# KiCad board SHVC-CPU-01.kicad_pcb (continued)
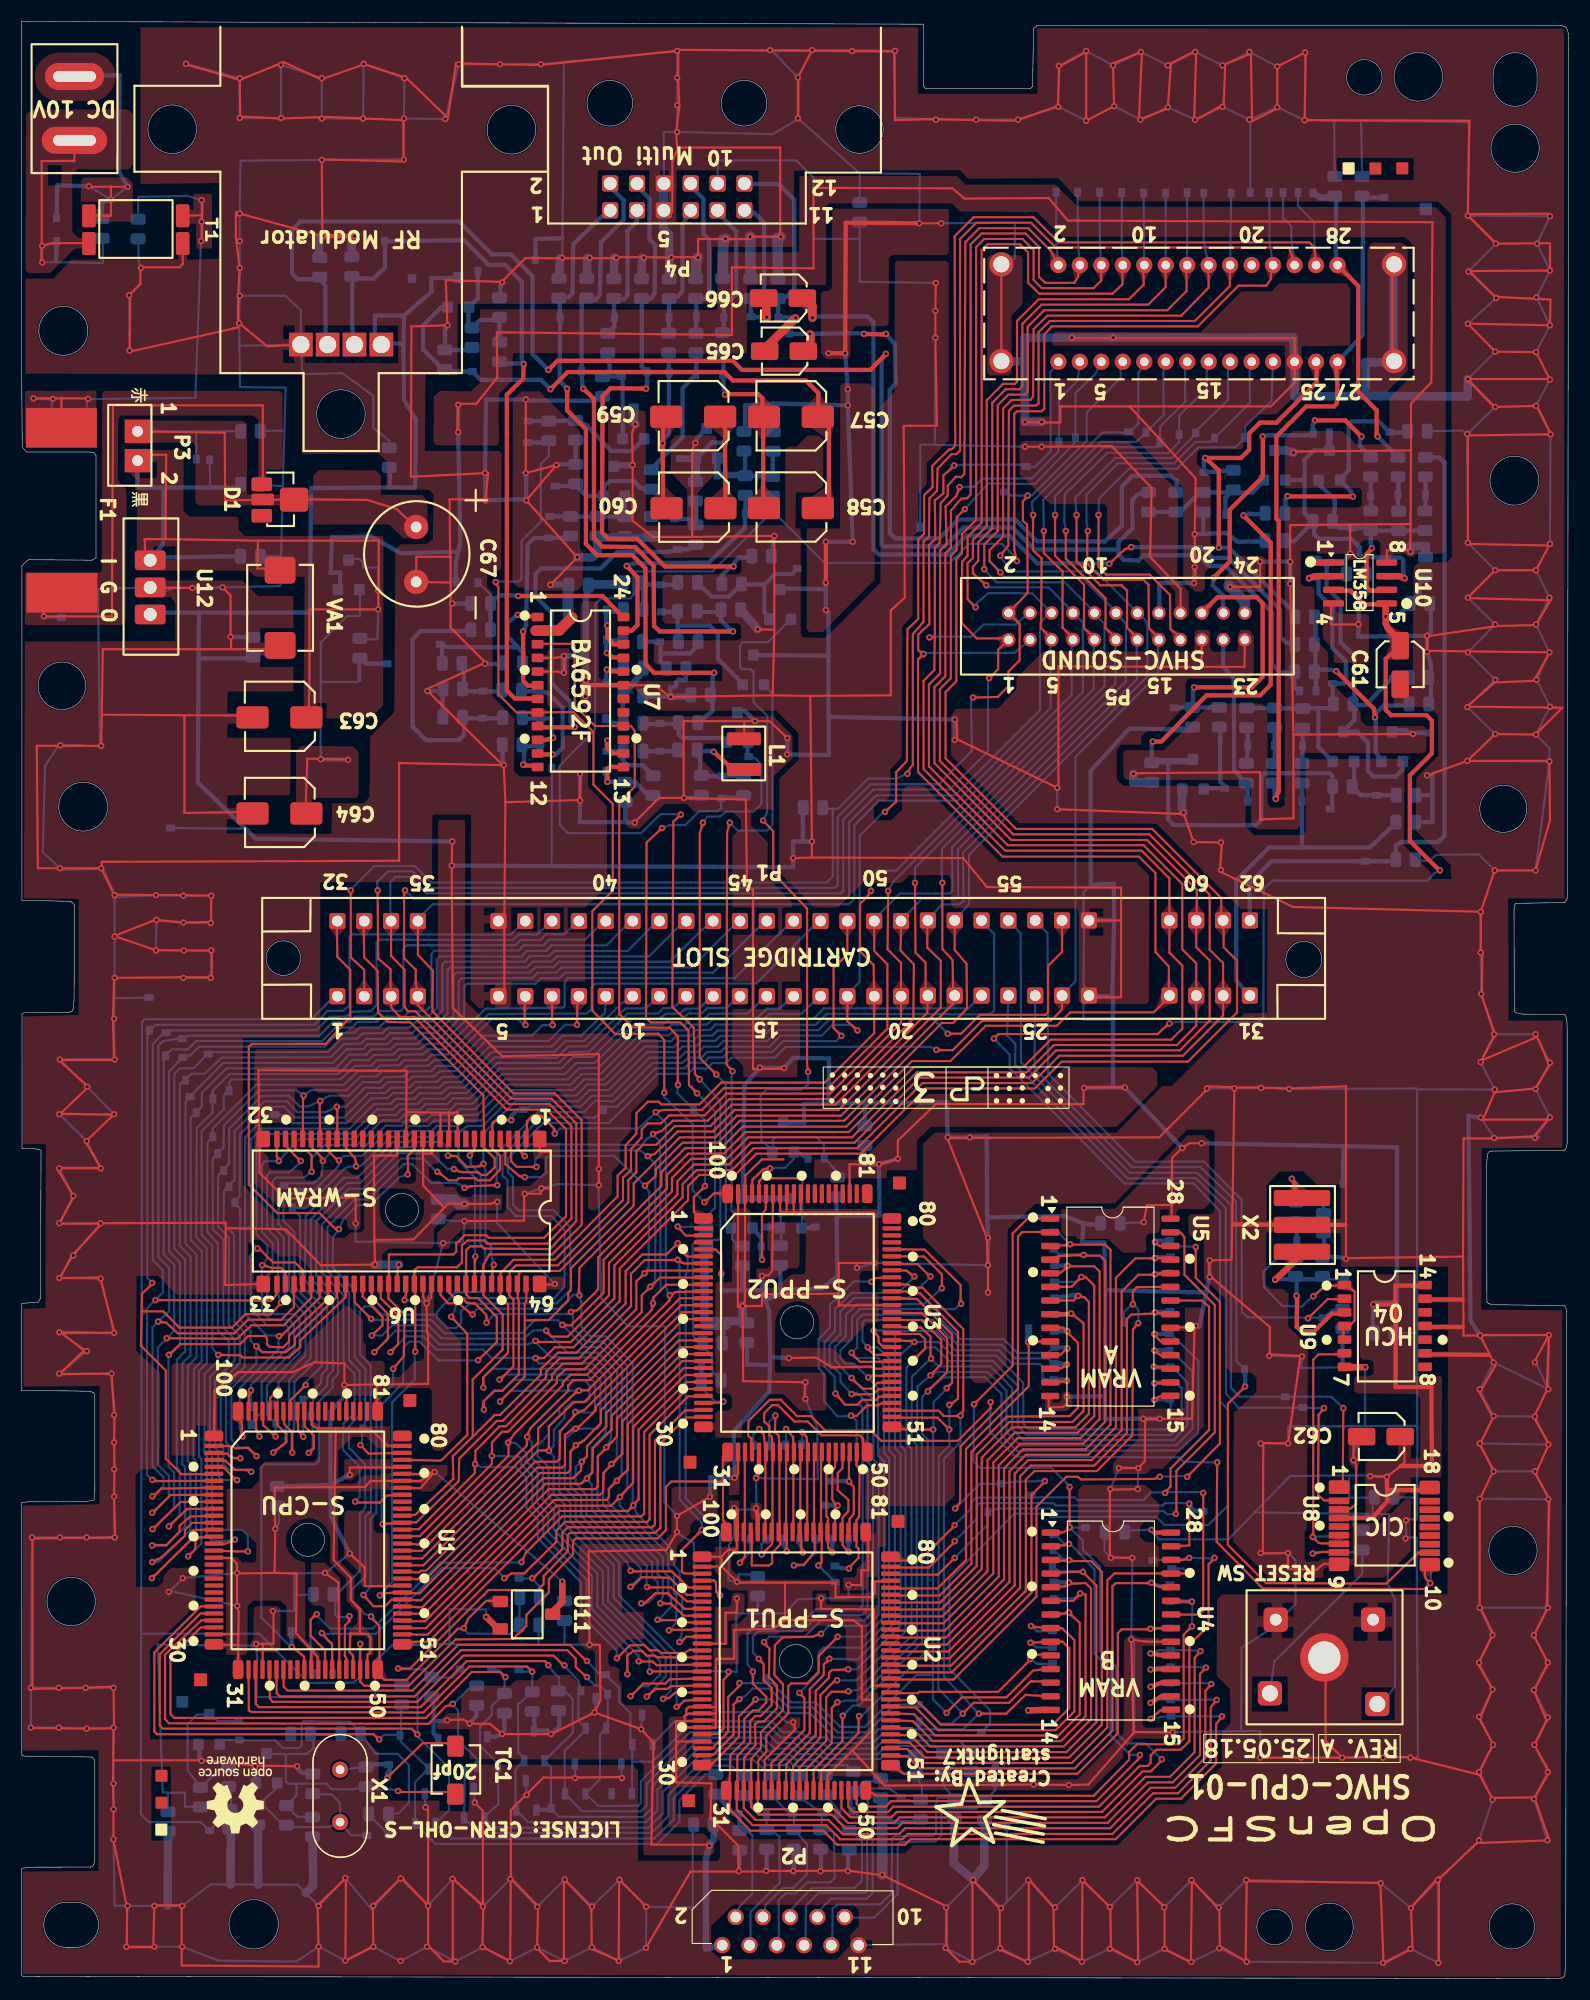
[diagram p0: board, top side]
## Routing (per net, layer and track width the routed paths; a pad name or vN(x,y) marks a point on that pad's centre or on a via; arc(x,y) is an arc through that point) (continued)
  Bottom w1: C95.1 39.9,72.49 40.38,72.49 40.73,72.09 v1(41.28,72.11) ; 65.3,158.32 65.33,159.16 65.38,161.91 v1(65.58,161.96) ; v1(67.88,162.16) 67.88,162.01 67.93,158.29 ; C84.2 50.91,129.64 50.91,127.49 50.88,127.46 50.98,126.86 v1(51.28,126.71) ; 80.17,16.6 80.18,13.49 80.18,9.69 ; v1(63.03,160.21) 62.88,159.81 62.8,158.29 ; v1(70.73,162.16) 70.43,162.01 70.48,158.26
  vias: v1(3.63,114.81) v1(3.58,103.36) v1(13.72,36) v1(15.01,37.27) v1(32.78,6.76) v1(35.33,1.64) v1(52.93,160.21) v1(55.43,160.21) v1(57.98,160.21) v1(60.53,160.21) v1(69.73,179.54) v1(77.38,179.44) v1(80.18,9.66) v1(111.73,103.21) v1(123.38,67.01) v1(128.93,40.96) v1(128.98,42.66) v1(140.98,57.36)
A1: length 23.3
  Top w0.2: v1(120.33,63.51) 121.48,64.51 122.88,64.51 U9.1 124.18,63.96 124.18,61.26 123.78,60.81 U9.4 123.13,60.51 123.15,59.48
  Bottom w0.2: R72.2 117,67.11 115.68,65.81 115.73,64.41 117.45,62.61 119.28,62.56 119.88,63.16 v1(120.33,63.51)
  Bottom w0.4: R72.2 118.78,67.41 TP144.1 118.77,70.3
A2: length 20.5
  Top w0.4: 116.77,65.01 116.73,65.01 ; 118.83,63.51 118.78,60.66 119.28,60.26 120.43,60.26 122.08,61.91 122.93,61.91 U9.3
  Top w0.6: X2.1 118.28,66.51 117.93,66.11 v1(116.78,65.06)
  Bottom w0.2: C56.2 121.42,65.1 123.27,65.1
  Bottom w0.4: R72.1 119.48,65.11 119.49,65.1 120.92,65.1 C56.2 ; R72.1 118.78,65.24 118.78,63.57 v1(118.78,63.56) ; R72.1 118.13,65.11 116.78,65.11 ; TP143.1 123.27,65.1
AB: length 5.9
  Top w0.4: v1(54.58,125.96) 54.58,124.86 55.13,124.21 U7.22
  Bottom w0.4: 56.04,127.47 55.81,127.25 54.62,127.25 TP42.1 54.47,127.39 54.47,126.22 54.53,126.16
AG: length 4.5
  Top w0.4: v1(54.53,123.41) 55.03,123.01 U7.21
  Bottom w0.4: v1(54.53,123.41) 54.47,123.47 54.47,124.62 TP41.1 54.55,124.59 55.85,124.59 55.98,124.46
AR: length 4.5
  Top w0.4: U7.20 54.93,121.71 v1(54.53,121.86)
  Bottom w0.4: 56.05,122.01 55.89,121.85 54.48,121.85 54.48,120.61
AUD: length 154.1
  Top w0.4: v1(49.08,149.76) 49.93,150.61 66.25,150.61 67.1,149.76 79.08,149.76 v1(80.53,151.26)
  Bottom w0.4: 102.18,133.11 102.18,133.71 103.5,135.04 103.45,137.59 103.93,138.14 104.33,138.26 ; 102.18,133.11 102.2,132.56 102.68,132.06 104.05,132.01 104.55,132.51 109.61,132.51 110.58,131.54 112.18,131.49 116.5,127.17 116.5,122.36 117.27,121.59 117.7,121.59 118.56,121.57 ; 102.18,133.11 102.1,133.04 94.36,133.04 92.33,135.08 87.73,135.08 85.99,133.33 80.31,133.33 80.11,133.52 80.11,150.69 v1(80.53,151.26) ; 27.38,158.21 25.73,158.21 25.2,158.74 25.2,162.76 25.95,163.59 40.74,163.59 43.81,160.52 45.57,160.52 47.61,158.48 47.61,151.23 v1(49.08,149.76) ; P7.2 28.33,153.24 28.3,157.56 C22.2 ; R71.2 118.55,120.59 118.55,120.24 118.85,120.04
B: length 55.4
  Top w0.4: v1(58.18,148.01) 54.88,148.06 54.13,147.31 54.08,134.61 54.65,134.04 57.36,134.04 59.94,131.46 v1(66.33,131.46)
  Bottom w0.4: 58.23,156.41 58.63,156.41 58.98,156.89 59.03,161.39 58.49,161.92 58.49,165.71 57.34,166.86 P4.4 ; R18.2 65.23,130.64 66.06,131.46 v1(66.33,131.46) 66.43,131.84 66.85,132.34 67.15,132.29 67.16,132.3 67.87,132.3 67.88,132.31 ; v1(58.18,148.01) 58.28,148.41 58.28,149.56 57.78,150.06 ; 57.78,150.06 57.8,150.04 ; 57.78,150.06 57.78,156.23 57.83,156.28
BLA: length 4.6
  Top w0.4: U7.12 47.94,112.92 46.87,112.92 46.78,113.01
  Bottom w0.4: R26.1 46.72,114.77 48.26,114.77 TP60.1 ; 46.68,114.36 46.82,114.22 46.82,113.11 v1(46.73,113.01)
BURST: length 67.4
  Top w0.2: v1(63.67,73.79) 63.67,73.76 63.18,73.26 62.63,72.76 62.63,71.36 U3.1 ; v1(61.15,83.19) 61.13,83.21 61.13,87.71 60.38,88.51 56.93,88.56 55.68,89.81 55.68,109.51 57.13,110.96 57.13,116.11 56.78,116.61 U7.16 53.43,116.61 51.53,118.51 51.53,124.06 51.38,124.26 48.43,124.26 U7.3
  Bottom w0.2: v1(61.15,83.19) 61.08,82.44 62.15,81.36 62.58,80.96 ; 62.95,80.59 63.65,79.94 v1(63.67,73.79)
BY.I: length 5.9
  Top w0.4: U7.10 48.83,115.31 49.53,115.46
  Bottom w0.4: 46.71,117.3 TP59.1 49.38,117.31 ; 49.35,117.29 49.35,116.04 v1(49.53,115.51)
BY.O: length 18.1
  Top w0.4: U7.24 55.53,127.26 54.13,128.71 v1(46.28,128.71)
  Bottom w0.2: 43.72,128.13 43.65,128.89 43.04,129.48 TP61.1
  Bottom w0.4: R35.1 R34.1 ; v1(46.28,128.71) 45.53,128.79 44.6,128.79 44.4,128.64 43.78,128.21
C: length 15.3
  Bottom w0.4: 62.85,156.17 TP20.1 R46.1 ; P4.8 62.34,166.87 63.53,165.68 63.53,162.4 64.05,161.88 64.05,156.74 63.65,156.36 63.03,156.41
C57+: length 55.9
  Top w0.2: C57.1 75.13,144.56
  Top w0.4: 74.23,145.96 74.23,147.61 73.06,148.78 66.26,148.78 65.48,149.56 50.88,149.56 v1(49.28,147.96) ; 75.13,144.56 75.21,144.48 75.21,136.65 75.18,136.61
  Bottom w0.4: R32.2 39.61,149.61 40.67,149.61 40.68,149.61 41.38,149.61 TP53.1 42.43,149.19 42.78,148.84 48.4,148.84 v1(49.28,147.96) ; 39.65,155.38 39.47,155.56 39.06,155.56 ; 39.06,155.56 37.41,153.92 37.41,151.67 38.89,150.19 38.95,150.19 ; 39.06,155.56 Q10.1
C57-: length 18.1
  Top w0.4: 69.03,145.81 69.03,147.11 68.63,147.51 65.57,147.51 v1(65.53,147.46) ; C57.2 69.09,145.32 69.09,136.4 69.13,136.36
  Bottom w0.4: R33.2 65.38,151.06 TP47.1 65.38,148.16 65.58,147.46
C59+: length 15.6
  Top w0.4: 65.03,145.53 65.58,144.11 v1(65.53,142.96) 65.56,138.81 65.58,136.66
  Bottom w0.4: v1(65.53,142.96) 64.3,143.01 63.35,141.99 62.93,141.55
  Bottom w0.6: 62.92,141.55 62.89,139.63 ; TP40.1 62.86,141.49
C59-: length 17.5
  Top w0.4: 60.01,145.53 59.78,144.16 59.73,142.96 59.78,136.71
  Bottom w0.4: R42.2 60.3,150.44 60.3,150.06 TP49.1 60.31,149.49 60.31,143.78 59.73,143.2 v1(59.73,142.91)
C61: length 232
  Top w0.2: v1(106.93,88.91) 106.33,88.41 105.84,87.93 90.99,87.93 v1(90.58,87.51) ; C61.1 127.93,125.06
  Top w0.4: 132.13,103.11 132.13,103.11 129.33,105.91 129.33,112.01 131.38,114.06 131.38,117.11 130.87,117.62 127.57,117.62 127.08,118.11 127.08,122.86 C61.1 ; 127.06,127.92 U10.5 ; 127.1,128.02 127.02,127.94 125.05,127.94 123.78,129.21 122.29,129.21 U10.3 ; 126.58,127.93 126.58,127.91 ; v1(127.08,126.81) 127.06,126.83
  Top w0.6: 127.93,125.06 127.28,125.71 127.08,126.16 v1(127.08,126.81) ; 127.06,126.83 127.06,127.92
  Bottom w0.2: DA6.2 60.83,23.94 69.89,23.94 70.89,22.94 72.58,22.94 73.15,22.46 74.98,22.46 75.48,21.91 79.31,21.91 80.06,22.66 88.93,22.66 TP216.1 ; v1(132.13,103.16) 131.58,102.89 130.98,102.21 116.58,102.21 115.73,101.49 115.68,89.51 115.23,89.04 107.4,89.04 106.95,88.89 ; v1(90.58,87.51) 92.05,86.01 92.05,84.74 102.75,74.01 109.18,74.04 111.65,71.41 111.63,53.76 112.4,52.94 112.38,44.01 110.55,42.24 106.48,42.24 105.68,42.99 95.83,42.99 95.55,43.26 92.5,43.29 86.43,37.14 86.45,28.81 90.23,24.96 90.23,23.69 89.85,23.36 89.43,22.96
  Bottom w0.4: 128.93,127.56 128.63,127.31 128.23,126.94 127.58,126.91 v1(127.08,126.81) ; R50.1 130.23,129.86 130.23,128.91 R51.2
C62: length 9.6
  Top w0.2: U8.3 123.83,43.76 124.33,44.16 124.33,47.81 v1(124.08,48.26) 124.08,50.41
  Bottom w0.2: TP150.1 124.08,48.86 v1(124.08,48.26)
C65: length 64.3
  Top w0.4: v1(78.48,153.11) 80.48,153.06
  Top w0.8: 73.48,153.06 73.48,152.06 C65.1
  Bottom w0.4: 107.59,138.36 107.6,139.14 107.58,139.49 107,139.91 103.45,139.89 102.5,138.89 102.5,135.26 100.9,133.79 94.58,133.81 92.55,135.84 87.25,135.84 85.48,134.07 81.41,134.07 80.88,134.61 80.88,147.89 81.43,148.51 81.35,152.16 v1(80.53,153.11) ; TP247.1 v1(73.43,153.11) 77.9,153.19 v1(78.48,153.11)
C66: length 77.9
  Top w0.2: v1(101.33,131.71) 102.03,132.36 102.78,133.06 v1(103.38,133.26)
  Top w0.8: 72.98,156.36 73.68,155.66 v1(73.68,154.61)
  Bottom w0.4: v1(103.38,133.26) 109.85,133.26 110.95,132.26 112.42,132.26 117.25,127.44 117.25,124.91 117.78,124.39 R70.2 ; TP97.1 72.98,155.66 73.78,154.74 78.78,154.74 79.35,154.21 79.35,133.08 79.87,132.57 86.26,132.57 88.01,134.32 92.05,134.32 94.61,131.76 96.93,131.76 100.83,131.74 v1(101.33,131.71)
C68: length 196.1
  Top w0.2: v1(63.18,83.71) 62.73,84.21 62.63,88.51 60.63,90.46 60.73,107.71 v1(61.43,108.36) ; v1(92.73,131.96) 92.48,133.01 92.48,145.66 92.73,145.91 95.03,145.91 95.28,146.16 95.28,153.06 95.98,153.81 109.58,153.81 113.38,157.61 115.98,157.61 116.38,158.21 116.42,159.46
  Bottom w0.2: 69.98,137.96 69.95,137.11 70.03,136.56 ; v1(92.73,131.96) 92.73,132.16 91.33,133.56 88.25,133.56 86.48,131.8 74.8,131.8 70.04,136.56 70.03,136.56 ; R98.2 64.38,56.46 64.33,58.01 63.68,58.61 C68.1 62.73,59.64 62.58,59.89 62.53,68.36 62.93,68.77 64.91,68.77 65.1,68.96 65.1,81.64 v1(63.18,83.71) ; 70.03,136.56 69.93,136.56 64.35,130.99 57.15,130.99 57,130.81 57.03,128.89 56.8,128.59 56.7,128.49 53.98,128.49 53.48,127.99 53.43,116.34 53.35,116.19 50.13,112.91 50.15,107.39 50.9,106.64 57.7,106.64 59.53,108.41 61.35,108.39 ; TP155.1 116.25,161.69 P6.22
C69: length 57.1
  Top w0.2: U3.3 61.88,69.16 v1(61.13,70.01) ; v1(59.68,107.11) 58.23,105.76 58.18,89.41 58.63,89.01 61.38,89.01 62.13,88.26 62.18,83.21 v1(62.93,82.41)
  Bottom w0.2: v1(59.68,107.11) 60.38,107.39 61.83,107.39 63.13,108.66 64.88,108.69 65.15,108.94 65.15,109.36 ; TP25.1 65.18,109.76 65.16,109.25 ; C69.2 63.57,69.98 61.16,69.98 v1(61.13,70.01) ; 63.8,69.75 63.9,71.04 64.6,71.76 64.6,80.69 v1(62.93,82.41)
  Bottom w0.4: 67,109.88 66.93,109.94 65.26,109.94 TP25.1
C.A0: length 81.4
  Top w0.2: 31.23,75.61 31.08,76.36 30.23,77.31 30.21,78.41 ; v1(26.48,55.26) 25.08,53.86 25.08,53.16
  Bottom w0.2: v1(26.48,55.26) 26.48,55.51 27.96,57 27.96,62.63 25.95,64.64 25.95,70.99 25.6,71.31 TP232.1 ; 25.33,71.71 25.65,71.74 26.43,71.71 30.08,75.39 30.5,75.59 v1(31.18,75.61) 31.63,75.66 34.4,78.36 35.88,78.39 36.43,78.89 38.19,78.89 38.68,79.38 40.7,79.38 41.2,79.89 42.8,79.89 45.63,82.71 51.4,82.71 52.43,83.71 54.2,83.69 57.73,87.29 60.53,87.26 61.08,87.79 62.35,87.79 62.83,88.29 64.15,88.31 64.63,88.81 68.73,88.81 69.65,89.81 72.63,89.81 73.4,90.56 74.58,91.46
C.A1: length 87.9
  Top w0.2: 28.61,78.41 28.61,77.02 29.46,76.16 29.53,76.16 ; v1(25.22,48.97) 25.23,50.81 24.48,51.61 U1.94
  Bottom w0.2: v1(25.22,48.97) 25.15,49.19 25.18,50.89 25.4,51.19 25.43,55.51 27.48,57.56 27.48,62.34 25.43,64.39 25.43,69.51 24.4,70.54 24.43,72.74 24.73,73.06 25.4,73.06 25.83,73.21 26.5,73.26 27.28,73.36 29.43,75.51 29.55,75.69 v1(29.58,76.16) 30.03,76.59 31.75,76.59 34.13,78.89 35.63,78.91 36.15,79.39 37.93,79.39 38.45,79.89 40.48,79.91 40.98,80.39 42.53,80.44 45.33,83.21 51.15,83.21 52.15,84.19 53.95,84.21 57.5,87.79 60.3,87.81 60.8,88.26 62.05,88.29 62.6,88.81 63.85,88.81 64.38,89.29 68.38,89.31 69.43,90.29 70.63,90.29 71.83,91.46
C.A2: length 87.6
  Top w0.2: 27.01,78.41 27.01,77.39 28.03,76.37 28.03,76.16 ; U1.95 23.83,51.51 24.68,50.71 24.68,49.96 v1(23.45,48.97)
  Bottom w0.2: 24.58,73.96 24.9,74.04 27.23,74.04 27.98,74.76 v1(28.08,76.11) 28.95,77.09 31.58,77.09 33.93,79.41 35.43,79.39 35.85,79.91 37.68,79.89 38.2,80.39 40.2,80.41 40.75,80.91 42.28,80.94 45,83.71 50.9,83.71 51.93,84.74 53.73,84.76 57.3,88.29 60.08,88.29 60.58,88.81 61.83,88.81 62.33,89.31 63.55,89.31 64.08,89.81 67.65,89.84 69.2,91.34 ; 24.3,73.67 24.1,73.49 23.98,73.29 23.93,70.24 24.93,69.19 24.93,64.12 26.93,62.12 26.93,57.74 24.93,55.74 24.93,51.51 24.58,51.11 24.6,49.81 v1(23.45,48.97)
C.A3: length 80.9
  Top w0.2: 27.03,75.16 27.03,76.61 26.56,77.08 25.71,77.08 25.48,77.31 U6.29 ; 23.18,53.06 23.18,54.06 v1(23.93,54.81) ; 25.41,78.41 25.48,77.51
  Bottom w0.2: 23.85,53.89 v1(23.93,54.81) 23.93,55.51 26.45,58.03 26.45,61.81 24.43,63.91 24.43,68.99 23.4,70.01 23.4,74.19 23.55,74.44 23.7,74.56 26.3,74.56 v1(27.03,75.11) 26.98,76.31 28.25,77.61 31.28,77.61 33.6,79.91 35.1,79.89 35.65,80.41 37.43,80.41 37.93,80.91 39.98,80.91 40.48,81.44 42,81.44 44.78,84.21 50.63,84.21 51.68,85.24 53.4,85.24 57.03,88.79 59.75,88.81 60.35,89.34 61.55,89.34 62.13,89.84 63.33,89.84 63.88,90.34 65.68,90.36 66.83,91.46
C.A4: length 83.3
  Top w0.2: v1(23.68,50.46) 22.53,51.51 U1.97 ; 23.81,78.41 23.78,77.76 23.78,76.56 23.98,76.16
  Bottom w0.2: v1(23.68,50.46) 23.68,51.16 23.69,51.63 ; 64.33,91.46 63.1,90.31 61.9,90.29 61.28,89.84 60,89.81 59.45,89.36 56.8,89.34 53.2,85.79 51.38,85.79 50.33,84.74 44.53,84.71 41.75,81.94 40.2,81.94 39.68,81.41 37.63,81.41 37.15,80.89 35.38,80.91 34.88,80.41 33.33,80.39 31.05,78.16 25.85,78.14 v1(23.98,76.11) 22.63,76.09 22.4,75.71 22.4,69.51 23.4,68.44 23.4,65.96 22.93,65.49 22.88,62.36 23.38,61.86 25.43,61.86 25.9,61.41 25.9,58.25 22.85,55.2 22.85,52.49 23.2,52.09 23.58,51.71
C.A5: length 83.1
  Top w0.2: 22.38,66.46 23.28,66.16 24.18,66.16 24.58,65.76 24.61,64.91 ; U1.98 21.88,51.11 v1(22.17,50.46)
  Bottom w0.2: P1.12 60.68,90.34 59.78,90.34 59.28,89.84 56.45,89.84 52.9,86.29 51.13,86.26 50.08,85.24 44.3,85.24 41.48,82.44 39.95,82.44 39.4,81.91 37.38,81.91 36.9,81.41 35.15,81.41 34.58,80.91 33.13,80.91 30.78,78.66 22.65,78.61 21.9,77.84 21.88,69.29 22.93,68.21 22.88,66.99 v1(22.43,66.41) 22.39,66.38 22.39,62.11 23.16,61.34 24.95,61.34 25.38,60.86 25.43,58.54 22.38,55.51 22.38,52.71 21.65,52.01 21.37,51.65 ; v1(22.17,50.46) 22.1,50.84 21.78,51.21 21.58,51.46
C.A6: length 80.7
  Top w0.2: 21.18,53.26 21.18,54.26 v1(21.38,54.76) ; v1(21.98,67.96) 22.14,67.96 23.44,66.66 25.48,66.66 26.19,65.97 26.21,64.91
  Bottom w0.2: 21.36,53.96 21.33,53.21 ; 21.36,53.96 v1(21.38,54.76) 21.38,55.26 24.93,58.81 24.93,58.94 24.88,60.59 24.6,60.84 22.86,60.84 21.35,62.34 21.35,67.34 v1(21.98,67.96) 21.38,68.56 21.4,78.16 22.38,79.14 30.55,79.11 32.83,81.41 34.38,81.44 34.85,81.89 36.63,81.91 37.1,82.41 39.13,82.41 39.65,82.89 39.73,82.96 41.25,82.94 44.05,85.76 49.85,85.71 50.93,86.76 52.63,86.79 56.25,90.31 58.15,90.34 P1.11 ; 21.36,53.96 21.35,53.76
C.A7: length 82.6
  Top w0.2: v1(20.57,50.46) 20.53,51.21 20.53,51.76 U1.100 ; v1(23.98,59.81) 24.19,59.81 27.78,63.4 27.78,63.71 27.81,64.91
  Bottom w0.2: P1.10 55.88,90.79 52.43,87.29 50.65,87.26 49.63,86.26 43.8,86.26 41.03,83.46 39.43,83.44 38.93,82.94 36.95,82.96 36.35,82.44 34.63,82.44 34.1,81.96 32.58,81.94 30.3,79.66 25.2,79.64 24.45,80.39 TP225.1 22.93,80.41 20.83,78.31 20.83,61.87 22.83,59.86 23.95,59.86 23.95,58.6 20.33,54.97 20.33,51.21 v1(20.57,50.46)
C.A8: length 89.7
  Top w0.2: v1(21.91,48.63) 21.9,48.63 21.13,49.41 19.98,49.36 19.58,49.56 U1.2 ; 29.38,63.46 29.41,64.91 ; 29.38,63.46 25.48,59.66 25.48,59.01 24.63,58.31 22.43,58.31 v1(21.88,58.86) ; 29.38,63.46 29.38,63.71
  Bottom w0.2: P1.9 54.35,89.91 52.15,87.79 50.4,87.79 49.4,86.76 43.58,86.76 40.73,83.94 39.2,83.94 38.7,83.49 36.65,83.46 36.15,82.96 34.4,82.94 33.88,82.44 32.33,82.44 30.05,80.16 25.43,80.16 24.48,81.16 22.9,81.16 20.35,78.61 20.33,72.81 20.15,72.61 ; v1(21.91,48.63) 21,49.41 20.33,49.41 19.55,50.19 19.55,54.94 21.88,57.26 v1(21.88,58.86) 21.35,59.36 21.35,60.29 20.33,61.36 20.38,71.64 20.15,71.91
C.A9: length 78.1
  Top w0.2: v1(51.75,88.78) 51.77,90.52 P1.8 ; 29.41,78.41 29.43,80.81 v1(29.38,81.16) ; U1.3 19.18,48.86 19.68,48.46 v1(20.39,48.44)
  Bottom w0.2: 19.28,73.71 18.98,73.46 18.85,73.31 18.83,70.24 19.8,69.26 19.83,61.14 20.8,60.11 20.8,56.96 19.05,55.21 19.05,49.91 19.3,49.66 19.28,48.69 19.45,48.49 v1(20.39,48.44) ; 19.28,73.81 19.6,74.11 19.85,74.34 19.85,78.89 22.63,81.66 24.73,81.66 25.7,80.66 28.33,80.66 v1(29.38,81.16) 30.23,81.16 32,82.94 33.55,82.91 34.13,83.46 35.88,83.46 36.43,83.96 38.43,83.99 38.95,84.46 40.45,84.49 43.25,87.29 49.13,87.29 50.63,88.79 51.75,88.79
C.A10: length 80.7
  Top w0.2: v1(21.41,47.18) 21.23,47.36 19.88,47.36 18.98,48.21 U1.4 ; v1(27.83,81.71) 27.78,81.41 27.81,78.41 ; v1(49.48,88.76) 49.43,89.36 P1.7
  Bottom w0.2: v1(21.41,47.18) 20.81,47.31 19.23,47.41 18.83,47.89 18.8,49.36 18.55,49.74 18.55,55.49 20.35,57.31 20.35,59.76 19.3,60.89 19.33,68.94 18.3,70.04 18.33,74.71 18.4,74.89 18.73,75.16 ; 18.78,75.16 19.18,75.69 19.33,75.86 19.35,79.11 22.38,82.16 24.9,82.19 25.93,81.19 26.75,81.21 v1(27.83,81.71) 28.65,82.19 30.5,82.19 31.8,83.46 33.35,83.44 33.8,83.91 35.6,83.96 36.08,84.46 38.15,84.46 38.65,84.96 40.18,84.96 43.03,87.79 47.55,87.79 48.55,88.76 v1(49.48,88.76)
C.A11: length 77.3
  Top w0.2: P1.6 46.88,90.56 46.88,89.21 v1(46.95,88.78) ; 17.93,47.64 18.88,47.56 19.53,46.86 19.99,46.4 v1(20.09,46.4) ; v1(26.28,82.21) 26.23,82.01 26.21,78.41
  Bottom w0.2: v1(20.09,46.4) 18.72,46.4 18.3,46.82 18.3,49.13 18.05,49.38 18.05,55.73 19.85,57.53 19.85,59.54 18.8,60.59 18.8,68.81 17.83,69.74 17.8,76.14 17.88,76.41 17.98,76.51 ; 18.6,77.16 18.83,77.34 18.85,79.41 22.13,82.69 25.63,82.69 v1(26.28,82.21) 27,82.71 30.25,82.69 31.58,83.96 33.08,83.99 33.63,84.46 35.38,84.46 35.93,84.96 37.88,84.99 38.48,85.51 39.93,85.51 43.78,89.31 46.23,89.31 46.8,88.86
C.A12: length 122.4
  Top w0.2: 11.19,62.11 13.2,62.11 14.71,60.6 19.61,60.6 20.88,61.86 23.18,61.81 23.98,62.66 ; 11.19,62.11 11.23,63.76 12.18,64.66 ; 11.19,62.11 11.13,58.91 13.44,56.59 13.44,48.4 14.9,46.95 17.88,46.95 U1.6 ; 24.61,78.41 24.63,77.51 25.43,76.66 v1(26.03,76.11)
  Bottom w0.2: v1(12.18,64.76) 11.72,65.21 11.72,87.56 TP99.1 12.35,88.66 12.5,88.79 27.3,88.79 28.5,90.09 29.93,90.09 30.55,90.59 30.55,96.99 30.8,97.21 45.55,97.19 P1.37 ; v1(24.18,62.91) 23.9,63.79 23.9,68.74 22.88,69.86 22.88,74.76 23.15,75.06 24.95,75.06 25.95,75.96
C.A13: length 105.5
  Top w0.2: U1.7 12.98,46.31 12.31,46.31 v1(12.2,46.43) ; 23.81,64.91 23.73,63.91 23.73,63.66 23.28,63.11 v1(12.48,63.16)
  Bottom w0.2: v1(12.2,46.43) 11.68,46.91 11.7,62.39 12.5,63.21 13.18,63.89 13.15,65.96 12.23,66.89 12.23,87 13.24,88.01 13.48,88.01 ; P1.38 48,97.19 46.35,97.21 45.73,96.69 33.33,96.71 33.08,96.46 33.08,90.61 32.53,90.06 30.8,90.01 30.28,89.56 28.73,89.54 27.48,88.29 13.98,88.26 TP100.1
C.A14: length 113.2
  Top w0.2: 25.41,64.91 25.38,63.81 25.38,62.51 24.2,61.33 21.09,61.33 19.82,60.06 14.58,60.06 13.48,61.06 v1(12.73,61.16) ; U1.8 13.03,45.61 12.3,44.89 v1(12.21,44.89)
  Bottom w0.2: TP101.1 15.58,87.79 27.75,87.79 29.01,89.04 30.55,89.04 31.05,89.55 32.81,89.55 33.33,90.06 35.3,90.09 35.58,90.29 35.58,95.87 35.91,96.2 46.01,96.2 46.5,96.69 48.35,96.69 48.85,97.21 50.53,97.21 P1.39 ; 14.78,87.51 14.43,87.49 13.15,87.26 12.75,86.84 12.75,67.16 13.75,66.16 13.75,62.11 12.75,61.19 12.21,60.64 12.21,47.68 13.2,46.69 13.23,45.81 v1(12.21,44.89)
C.A15: length 116.6
  Top w0.2: v1(13.53,59.61) 20.08,59.56 21.43,60.81 24.43,60.81 26.98,63.36 26.98,63.81 27.01,64.91 ; U1.9 13.88,45.01 12.83,43.96 v1(12.18,43.36)
  Bottom w0.2: TP102.1 13.75,86.26 14.03,86.51 15.48,86.49 16.28,87.29 27.98,87.26 29.28,88.54 30.79,88.54 31.31,89.06 33.1,89.06 33.58,89.54 35.68,89.56 36.1,90.04 37.6,90.06 38.2,90.56 38.18,95.39 38.45,95.69 46.35,95.71 46.75,96.19 48.65,96.19 49.13,96.71 52.51,96.71 54.25,98.45 P1.40 ; 13.33,85.76 13.25,85.46 13.25,67.42 14.23,66.44 14.23,60.34 13.6,59.64 12.7,58.74 12.7,47.84 13.73,46.82 13.73,44.83 12.25,43.36 v1(12.18,43.36)
C.A16: length 123.1
  Top w0.2: 28.58,63.56 28.61,64.91 ; 28.58,63.56 28.58,63.76 ; 28.58,63.56 28.58,63.31 24.93,59.86 24.93,59.31 24.38,58.76 23.13,58.81 22.88,59.01 22.88,59.61 22.67,59.82 21.13,59.82 20.38,59.06 14.78,59.06 v1(13.73,58.06) ; v1(12.21,41.84) 12.25,41.84 13.08,42.66 14.83,44.36 U1.10
  Bottom w0.2: TP103.1 15.48,85.91 15.68,85.91 16.58,86.76 28.25,86.76 29.5,88.04 31.05,88.06 31.5,88.54 33.33,88.54 33.8,89.04 35.88,89.04 36.38,89.54 37.9,89.56 38.7,90.34 38.7,94.89 38.95,95.16 46.58,95.14 47.05,95.66 48.9,95.69 49.35,96.19 54.49,96.19 56.75,98.45 P1.41 ; v1(12.21,41.84) 14.23,43.84 14.23,47.11 13.7,47.64 13.7,57.94 14.76,58.99 14.76,66.68 13.75,67.68 13.75,84.44 14.6,85.34 14.93,85.71
C.A17: length 101.6
  Top w0.2: v1(13.73,42.09) 13.76,42.09 14.43,42.76 15.43,43.71 U1.11
  Bottom w0.2: P1.42 59.25,98.45 56.46,95.66 49.63,95.66 49.15,95.19 47.35,95.19 46.88,94.66 39.45,94.66 39.2,94.39 39.2,90.11 38.2,89.09 36.65,89.04 36.15,88.54 34.13,88.54 33.6,88.01 31.78,87.99 31.25,87.51 29.8,87.51 28.53,86.26 17.83,86.24 TP104.1 ; 17.23,85.96 16.93,85.66 16.08,84.76 14.73,84.71 14.24,84.22 14.24,67.96 15.25,66.95 15.25,58.39 14.47,57.61 14.47,47.61 14.73,47.35 14.73,43.1 v1(13.73,42.09)
C.A18: length 108.6
  Top w0.2: U1.12 15.73,43.01 14.73,42.16 14.73,41.61 13.53,40.36 12.21,40.36 v1(12.17,40.32)
  Bottom w0.2: TP105.1 15.65,84.06 15.88,84.24 17.08,84.24 18.65,85.74 28.8,85.76 30.03,86.99 31.6,87.04 32.1,87.49 33.8,87.49 34.35,88.01 36.38,88.01 36.46,88.09 36.9,88.54 38.4,88.54 39.7,89.86 39.7,93.89 39.93,94.14 47.08,94.14 47.63,94.66 49.38,94.66 49.89,95.17 58.47,95.17 61.75,98.45 P1.43 ; 15.13,83.56 14.9,83.39 14.74,83.23 14.74,68.22 15.75,67.21 15.75,58.01 15,57.31 14.98,47.89 15.24,47.62 15.24,42.08 13.43,40.26 v1(12.17,40.32)
C.A19: length 111.2
  Top w0.2: v1(12.18,38.76) 13.03,39.21 15.23,41.21 15.23,41.76 15.88,42.41 U1.13
  Bottom w0.2: v1(12.18,38.76) 12.73,38.76 15.74,41.77 15.74,47.93 15.48,48.19 15.5,57.01 16.3,57.81 16.3,67.4 15.28,68.43 15.28,81.57 TP106.1 ; 15.74,82.15 16.13,82.56 18.8,85.24 29,85.24 30.28,86.51 31.88,86.54 32.2,86.99 34.1,86.99 34.64,87.53 36.66,87.53 37.17,88.04 38.68,88.04 40.25,89.61 40.23,93.36 40.52,93.65 47.35,93.65 47.85,94.15 49.57,94.15 50.07,94.66 60.4,94.66 63.28,97.54 P1.44
C.A20: length 114.9
  Top w0.2: U1.14 16.08,41.76 15.78,41.56 15.68,40.76 v1(12.15,37.27)
  Bottom w0.2: v1(12.15,37.27) 16.25,41.24 16.25,48.14 16,48.46 16.08,56.76 16.79,57.48 16.79,67.72 15.78,68.74 15.75,80.09 15.9,80.26 16.23,80.51 ; P1.45 66.76,98.45 62.44,94.14 50.33,94.14 49.84,93.65 48.09,93.65 47.57,93.13 41,93.13 40.73,92.86 40.73,89.3 38.95,87.52 37.41,87.52 36.9,87 34.89,87 34.4,86.51 32.6,86.51 32.11,86.01 30.5,86.01 29.3,84.74 19.1,84.74 16.8,82.44 16.8,81.24 16.63,80.96 TP107.1
C.A21: length 108.9
  Top w0.2: 17.93,41.14 16.58,41.06 16.23,40.76 16.18,39.96 15.52,39.31 v1(15.52,39.31)
  Bottom w0.2: 17.8,82.46 TP108.1 ; 17.8,82.46 17.8,82.34 ; 17.8,82.46 17.8,82.66 19.4,84.21 29.43,84.21 29.63,84.31 30.83,85.51 32.33,85.49 32.85,85.99 34.6,86.01 35.13,86.51 37.15,86.54 37.73,87.01 39.2,87.04 41.23,89.06 41.25,92.34 41.45,92.61 41.68,92.64 41.7,92.61 47.85,92.61 48.38,93.14 50.1,93.11 50.63,93.64 64.43,93.64 68.43,97.64 P1.46 ; 17.78,81.86 17.8,81.41 17.8,80.61 16.33,79.19 16.28,69.04 17.25,67.99 17.28,57.29 16.53,56.56 16.53,48.61 16.75,48.39 16.75,40.49 v1(15.52,39.31)
C.A22: length 125.3
  Top w0.2: 19.83,40.81 18.93,40.46 U1.16 ; 30.18,63.41 25.98,59.41 25.98,58.81 24.93,57.81 20.58,57.81 20.38,58.01 v1(18.33,58.06) ; 30.18,63.41 30.21,64.91 ; 30.18,63.41 30.23,63.66
  Bottom w0.2: P1.47 70.95,97.63 66.45,93.14 50.88,93.14 50.6,92.74 50.6,90.61 50.53,90.46 50.33,90.39 43.23,90.29 39.4,86.51 37.95,86.51 37.4,86.04 35.38,86.01 34.93,85.51 33.08,85.49 32.6,84.99 31.08,84.96 29.73,83.71 19.58,83.71 19.38,83.49 19.38,83.11 TP109.1 ; v1(19.88,40.86) 18.95,40.74 17.68,40.79 17.28,41.36 17.28,48.63 17.05,48.86 17.05,56.29 18.28,57.46 18.3,58.01 17.78,58.71 17.78,68.24 16.78,69.24 16.78,78.89 18.85,80.96 18.85,82.14 18.98,82.41 19.23,82.46
C.A23: length 112.9
  Top w0.2: 20.98,39.86 21.07,39.77 v1(21.1,39.77) 20.08,39.77 20.08,39.76 U1.17
  Bottom w0.2: 17.45,77.98 17.48,78.01 ; 17.45,77.98 17.33,77.81 17.3,69.76 17.33,69.49 18.3,68.44 18.3,60.32 19.33,59.3 19.33,57.81 17.58,56.04 17.53,49.16 17.75,48.89 17.78,42.09 17.9,41.86 18.08,41.76 20.55,41.76 21.08,41.24 v1(21.1,39.77) ; 17.45,77.98 17.73,78.21 ; P1.48 73.4,97.61 68.45,92.64 53.43,92.61 53.1,92.24 53.08,90.21 52.65,89.84 43.5,89.79 39.73,86.04 38.18,85.99 37.73,85.49 35.63,85.49 35.18,85.01 33.35,84.99 32.88,84.49 31.35,84.46 30,83.19 21.88,83.21 17.83,79.14 17.81,78.91 ; 17.81,78.91 17.78,78.36 ; 17.81,78.91 17.8,78.84
C.CLK: length 61.9
  Top w0.2: U9.2 122.88,63.21 121.68,63.26 v1(119.83,61.46)
  Bottom w0.2: 121.03,61.56 120.78,61.54 120.77,61.53 119.9,61.53 v1(119.83,61.46) 119.18,61.54 114.23,61.56 113.68,62.04 113.65,72.51 110.13,76.06 103.75,76.04 95.63,84.24 95.58,97.31 P1.56 ; TP142.1 122.13,62.26 122.48,62.26 C70.1
C.D0: length 232.1
  Top w0.2: 95.23,134.61 95.23,132.71 96.98,131.01 96.98,125.76 97.53,125.21 P5.7 ; v1(43.03,55.01) 43.02,55.81 43.02,55.96 45.32,58.26 45.32,62.77 44.63,63.46 44.61,64.91 44.63,65.66 45.83,66.91 49.68,66.91 55.53,72.81 55.53,74.76 56.28,75.46 56.28,77.56 57.28,78.66 57.28,80.56 58.35,81.64 59.35,81.64 59.61,81.38 63.14,81.38 65.18,83.41 74.83,83.41 79.43,88.01 P1.19 ; U3.15 61.66,61.39 53.48,53.2 53.48,52.86 51.73,51.16 51.43,51.21 50.63,50.61 50.63,47.81 50.38,47.56 48.04,47.56 37.89,37.41 37.28,37.41 36.88,37.16 35.63,37.29 ; v1(79.13,101.26) 78.78,100.71 78.11,100.05 78.11,95.63 79.38,94.36 P1.19 ; P1.19 79.41,92.36 ; 63.53,25.99 61.73,25.86 61.15,25.29 v1(61.03,25.29)
  Bottom w0.2: v1(95.23,134.76) 95.18,137.66 100.58,143.06 103.85,143.06 104.4,143.61 104.58,143.66 ; 43,55.01 43.03,55.99 43.79,56.75 52.86,56.75 53.93,55.69 53.93,51.46 53.63,51.16 52.45,51.21 51.63,51.11 50.65,50.24 50.6,45.69 51.6,44.66 51.63,42.79 55.68,38.71 55.68,35.64 61.03,30.29 v1(61.03,25.29) ; 104.98,144.21 105.1,144.31 106.4,145.59 106.35,149.47 P6.11 ; v1(79.13,101.26) 79.13,102.36 79.75,103.14 81.45,103.14 97.83,119.52 97.83,124.79
  vias: v1(51.61,51.2)
